# Allegro board 1156197-TDI_VU3P_QSFP28_CXP_V001_1023A-166-20241121_1644_PCB.brd (continued)
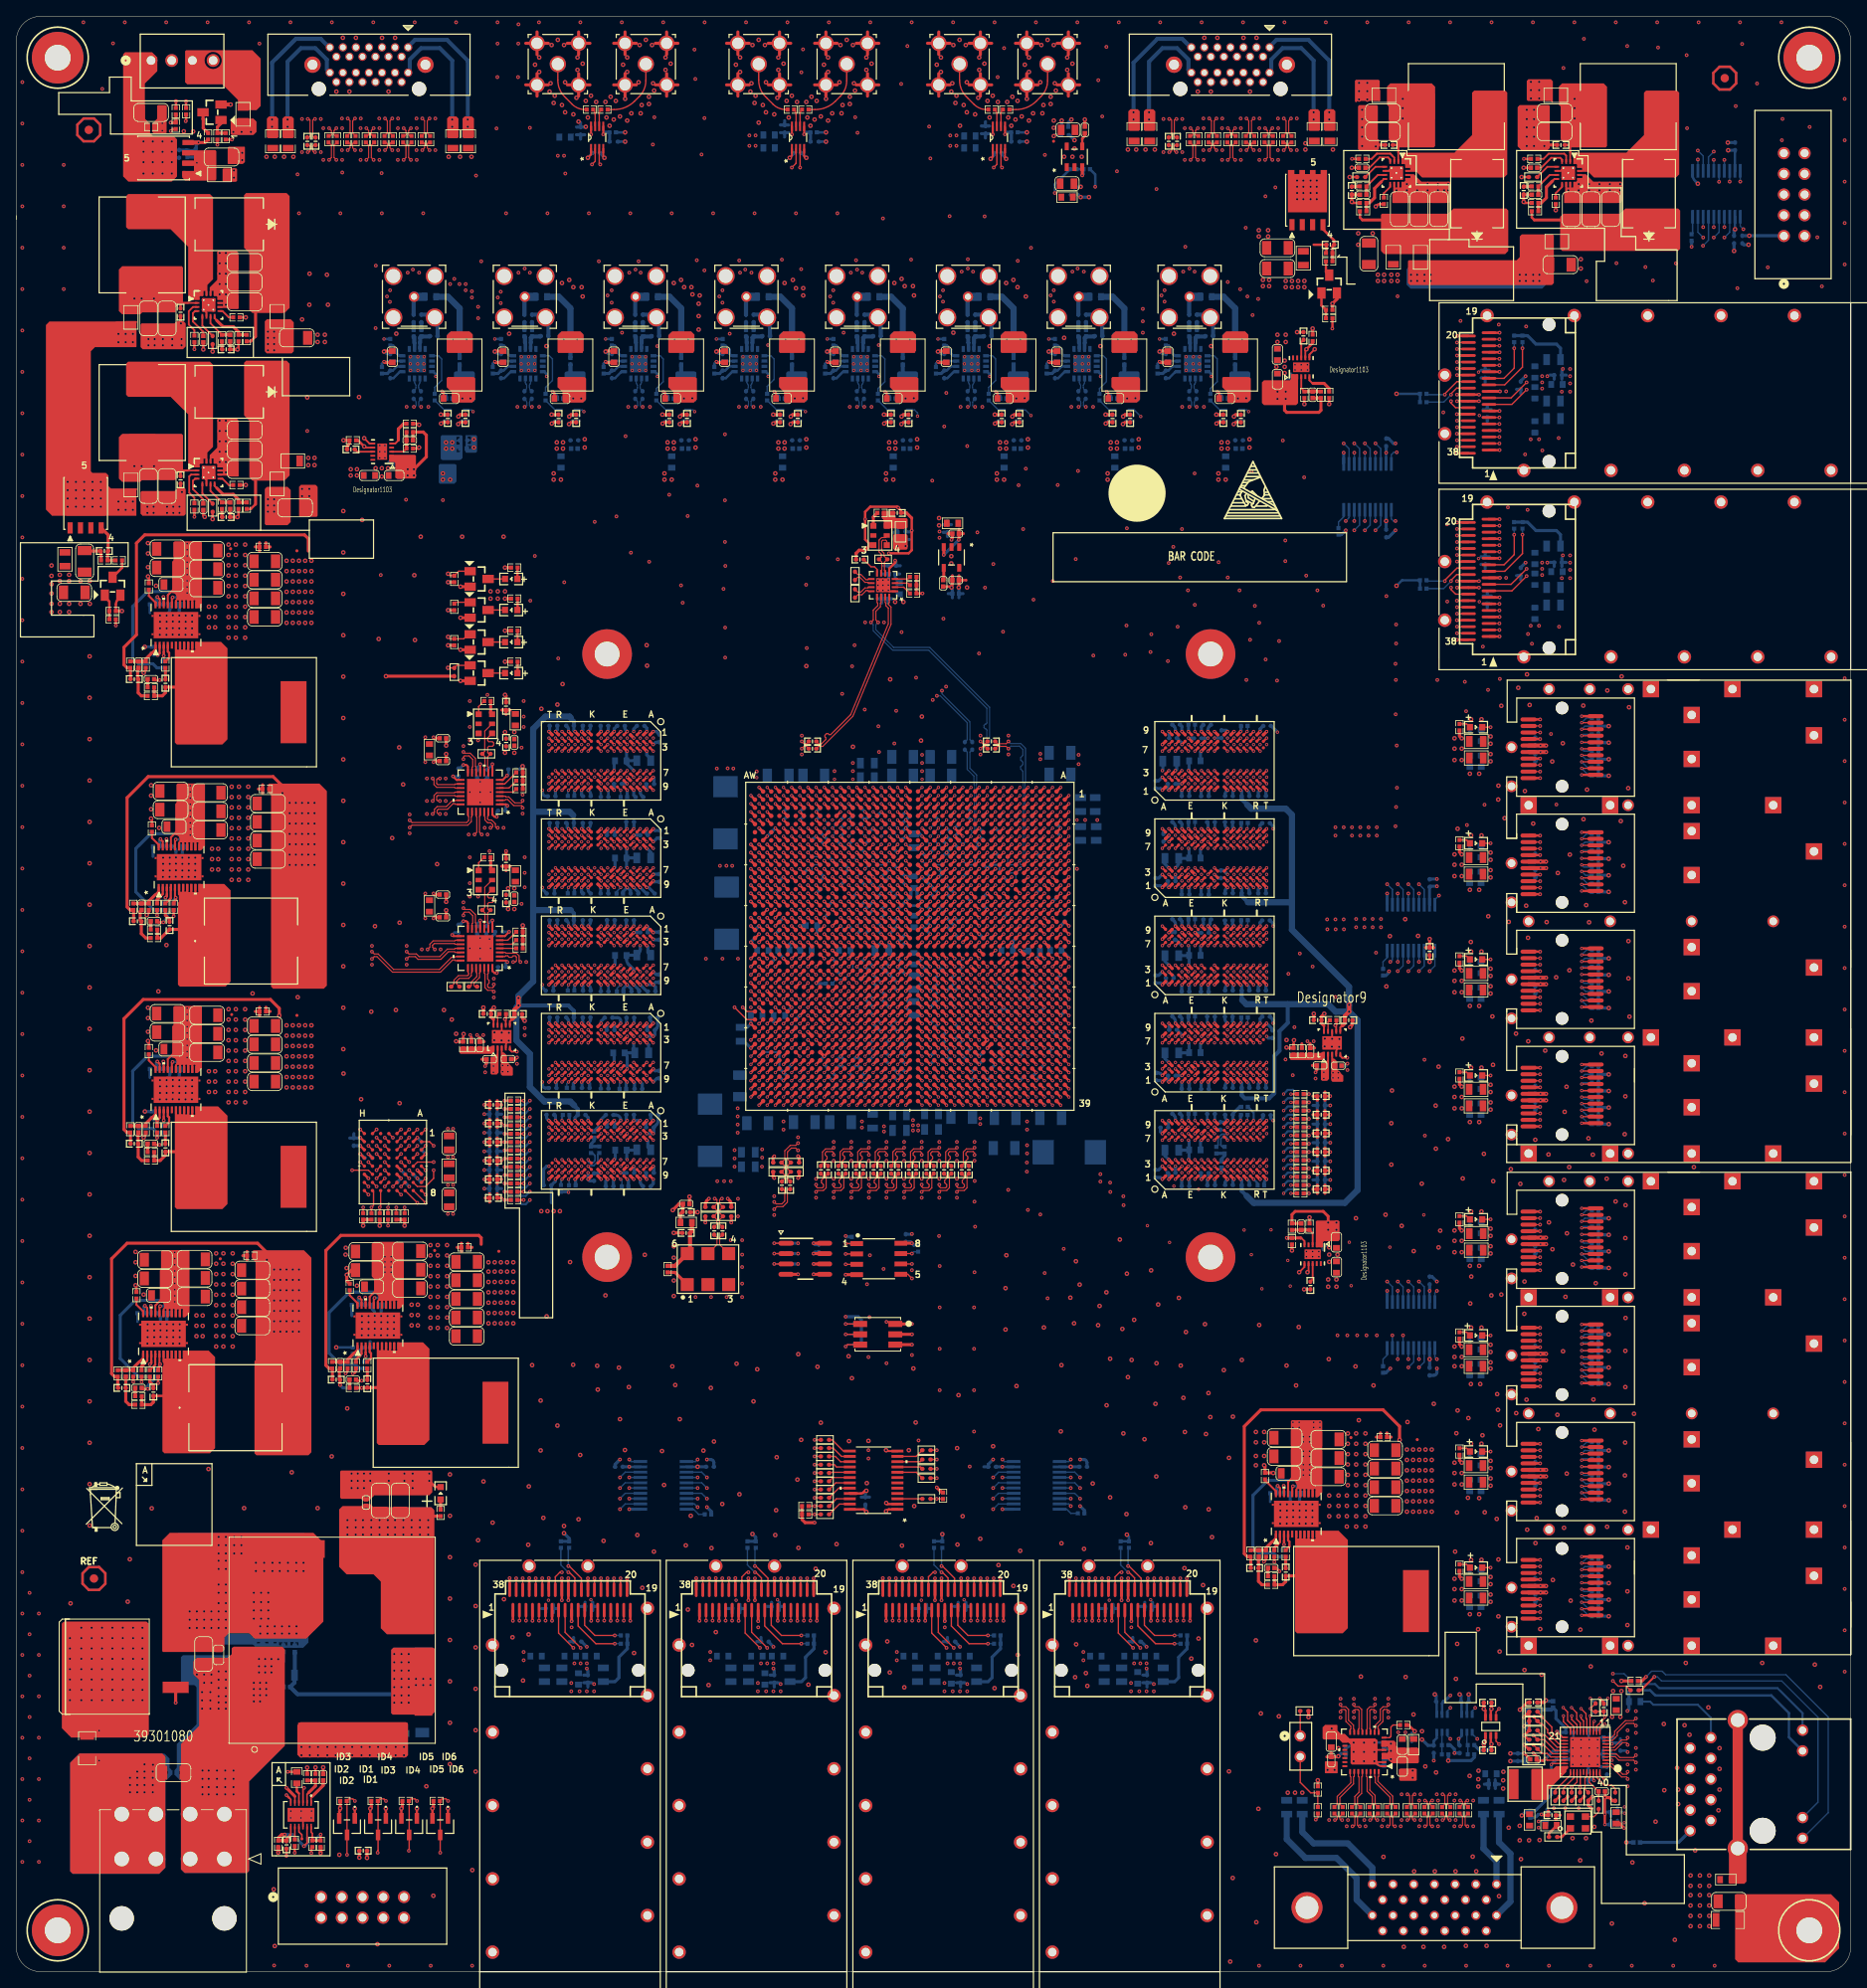
[diagram p0: board, top side]
## Routing (per net, layer and track width the routed paths; a pad name or vN(x,y) marks a point on that pad's centre or on a via; arc(x,y) is an arc through that point) (continued)
DDR4_1V2_EN: length 2.9
  TOP w0.279: U44.2 17.58,104.81 v1(17.35,104.57)
  TOP w0.381: v1(17.35,104.57) 17.27,104.5 R381.1
  BOTTOM w0.381: v1(17.35,104.57) 16.85,104.57 R378.1
DDR4_1V2_GOOD: length 34.1
  TOP w0.279: U44.3 18.08,104.93
  TOP w0.305: R382.2 v1(17.27,129.67) ; 18.08,104.93 v1(18.08,104.51)
  ART03 w0.381: v1(18.08,104.51) 18.08,104.04 17.7,103.66 15.42,103.66 13.84,105.23 13.84,124.71 17.14,128.02 17.14,129.54 v1(17.27,129.67)
  BOTTOM w0.381: v1(18.08,104.51) 18.08,103.98 R356.2
DDR4_2V5_PG: length 174.7
  TOP w0.229: 157.55,90.04 157.62,90.04 158,89.66 U50.5
  TOP w0.381: 157.55,90.04 157.53,90.06 R410.2 v1(155.83,90.06)
  ART03 w0.381: v1(155.83,90.06) 146.54,80.77 114.94,80.77 v1(109.86,75.69)
  ART07 w0.381: v1(109.86,75.69) 105.54,71.37 97.66,71.37 91.82,77.22 48.64,77.22 47.62,78.23 47.62,80.64 46.61,81.66 41.27,81.66 33.27,89.66 18.67,89.66 16.64,91.69 16.64,104.65 15.77,105.52 v2(15.77,105.58)
  BOTTOM w0.381: v2(15.77,105.58) R378.2
DDR4_200M_N: length 5.7
  TOP w0.14: U60.7 106.08,171.99 106.16,172.07 106.16,173.01 R471.2 106.07,173.61 106.07,173.62 106.1,173.64 106.1,173.98 105.82,174.26 105.82,175.71 106.14,176.03 106.61,176.03 106.77,176.18 X1.5
DDR4_200M_P: length 5.6
  TOP w0.14: U60.6 106.57,171.94 106.49,172.02 106.49,173.01 R471.1 106.43,173.76 106.43,174.12 106.15,174.4 106.15,175.57 106.28,175.7 106.64,175.7 106.77,175.57 X1.4
DDR4_CLK1_N_200M: length 21.9
  TOP w0.14: U60.16 107.07,168.05 106.99,167.97 106.99,167.8 107.29,167.49 107.29,165.38 102.61,154.09 98.91,150.39 98.41,150.39 C55.1
DDR4_CLK1_P_200M: length 21.9
  TOP w0.14: U60.15 106.57,168.05 106.66,167.97 106.66,167.66 106.96,167.36 106.96,165.45 102.34,154.28 99.89,151.84 99.69,151.84 99.57,151.95 99.38,151.95 99.18,151.76 99.18,151.56 99.3,151.44 99.3,151.24 98.78,150.72 98.41,150.72 C54.1
DDR4_CLK2_N_200M: length 29.4
  TOP w0.14: v1(105.71,165.61) 105.43,165.9 105.43,166.98 105.99,167.53 105.99,167.97 106.08,168.05 U60.14 ; C72.1 118.85,150.39 118.54,150.39 v1(118.26,150.11)
  BOTTOM w0.14: v1(105.71,165.61) 105.43,165.33 105.43,164.72 107.62,162.53 112.04,162.53 119.38,155.19 119.38,150.62 119.05,150.29 118.44,150.29 v1(118.26,150.11)
DDR4_CLK2_P_200M: length 29.3
  TOP w0.14: U60.13 105.58,168.05 105.66,167.97 105.66,167.67 105.11,167.11 105.11,165.9 v1(104.82,165.61) ; C71.1 118.85,150.72 118.54,150.72 v1(118.26,151)
  BOTTOM w0.14: v1(118.26,151) 118.64,150.62 118.91,150.62 119.05,150.76 119.05,152.42 118.91,152.56 118.83,152.56 118.69,152.7 118.69,152.98 118.83,153.12 118.91,153.12 119.05,153.26 119.05,155.06 111.91,162.2 107.49,162.2 105.11,164.59 105.11,165.33 v1(104.82,165.61)
EEPROM_CS_B: length 33.3
  TOP w0.152: U1.AH29 102.1,116.36 v1(102.1,116.36)
  TOP w0.17: U2.1 v1(101.73,89.36)
  ART07 w0.122: v1(102.1,116.36) 101.6,115.86 101.6,113.02 101.48,112.9 99.82,112.9 99.57,112.65 99.57,94.87 102.41,92.02 102.41,90.05 v1(101.73,89.36)
  BOTTOM w0.17: R22.2 101.75,89.39 v1(101.73,89.36)
EEPROM_SCK: length 41.4
  TOP w0.152: v1(101.1,116.36) 101.1,116.36 U1.AJ29
  TOP w0.17: U2.6 v1(109.86,86.87)
  ART07 w0.122: v1(109.86,86.87) 107.95,88.77 101.5,88.77 101.19,89.08 101.19,92.35 98.68,94.87 98.68,112.65 98.93,112.9 99.31,112.9 99.57,113.16 99.57,113.54 99.95,113.92 100.33,113.92 100.58,114.17 100.58,115.84 v1(101.1,116.36)
EEPROM_SI: length 41.2
  TOP w0.17: v3(96.1,112.36) 95.6,112.86 U1.AP33 ; U2.5 109.35,85.6 v1(109.86,85.09)
  ART07 w0.122: v3(96.1,112.36) 95.63,111.89 95.63,103 95.17,102.54 95.17,96.98 95.76,96.39 95.76,94.74 98.78,91.72 98.78,87.5 101.3,84.99 109.75,84.99 v1(109.86,85.09)
EEPROM_SO: length 40.5
  TOP w0.152: U1.AJ28 v1(100.1,117.36)
  TOP w0.17: U2.2 v1(101.73,88.09)
  ART07 w0.122: v1(100.1,117.36) 100.1,116.99 99.57,116.46 99.57,115.09 99.34,114.86 98.83,114.86 98.55,114.58 98.55,114.05 98.23,113.73 98.23,113.35 97.66,112.78 97.66,112.14 97.41,111.89 96.9,111.89 96.62,111.61 96.62,94.77 99.69,91.69 99.69,87.5 101.09,86.11 101.98,86.11 102.36,86.49 102.36,87.46 v1(101.73,88.09)
EEPROM_WP_B: length 32.8
  TOP w0.152: U1.AJ31 v1(100.1,114.36)
  TOP w0.17: U2.3 v1(101.73,86.82)
  ART07 w0.122: v1(101.73,86.82) 100.58,87.97 100.58,91.69 97.54,94.74 97.54,111.51 98.17,112.14 98.17,112.78 98.68,113.28 98.68,113.67 98.93,113.92 99.44,113.92 99.88,114.36 v1(100.1,114.36)
FPGA_25M_OSC_ETH: length 4.1
  TOP w0.17: R318.2 194.08,22.11 C635.1 192.91,23.28 192.91,23.75 193.03,23.87 U40.37
FPGA_ETH_LED0: length 3
  TOP w0.17: U40.32 191.03,23.78 189.76,22.51 R328.1
FPGA_ETH_LED1: length 32.3
  TOP w0.17: R331.1 v1(190.78,22.64) 191.43,23.29 U40.33
  ART03 w0.122: v1(190.78,22.64) 190.78,22.58 191.26,22.1 195.45,22.1 196.12,21.43 198.85,21.43 200.18,22.76 200.18,33.66 197.26,36.58 v1(195.83,36.58)
  BOTTOM w0.17: v1(195.83,36.58) 197.21,36.58 R334.1
FPGA_ETH_LED2: length 29.1
  TOP w0.17: U40.34 191.83,22.89 191.8,22.85 v1(191.8,22.64) R329.1 ; R332.2 197.49,35.05 196.47,35.05 v1(195.83,35.69)
  ART03 w0.122: v1(195.83,35.69) 196.4,35.12 198.18,35.12 199.64,33.66 199.64,22.99 198.63,21.97 196.34,21.97 195.58,22.73 191.89,22.73 v1(191.8,22.64)
FPGA_ETH_RESET_B: length 127.2
  TOP w0.152: U1.D24 v1(126.1,121.36)
  TOP w0.17: U41.4 181.5,31.89 v1(181.86,32.26)
  ART05 w0.122: v1(181.86,32.26) 181.86,33.4 180.59,34.67 180.59,44.2 179.58,45.21 179.58,49.02 179.07,49.53 179.07,52.83 175.77,56.13 175.77,65.91 166.24,75.44 166.24,78.61 164.13,80.72 142.49,80.72 125.63,97.59 125.63,120.88 v1(126.1,121.36)
FPGA_ETH_RST_B: length 21.1
  TOP w0.17: U40.12 193.83,30.13 194.84,31.15 v3(194.84,31.27) 194.72,31.4 C631.1 193.74,31.95 R314.2 193.45,31.91 v3(193.07,32.29) R314.1 ; U41.3 181.5,28.31 v1(181.86,27.94)
  ART03 w0.122: v3(193.07,32.29) 192.53,31.75 192.53,31.11 192.15,30.73 188.98,30.73 187.83,29.59 183.51,29.59 v1(181.86,27.94)
  BOTTOM w0.17: R315.1 v3(194.84,31.27)
FPGA_RGMII_MDC: length 171.9
  TOP w0.152: U1.N28 v1(117.1,117.36)
  TOP w0.17: v3(193.55,30.73) 193.43,30.62 U40.13
  ART07 w0.122: v3(193.55,30.73) 195.07,29.21 195.07,25.36 195.83,24.59 195.83,17.27 193.55,14.99 183.64,14.99 178.44,20.19 169.93,20.19 167.97,22.15 158.82,22.15 153.46,27.52 153.46,32.65 147.7,38.4 147.7,46.35 133.78,60.27 133.78,62.08 118.82,77.04 118.82,98.55 120.19,99.92 120.19,103.58 117.6,106.17 117.6,112.7 117.42,112.88 116.87,112.88 116.59,113.16 116.59,116.97 116.98,117.36 v1(117.1,117.36)
FPGA_RGMII_MDIO: length 171.5
  TOP w0.152: U1.N29 v1(117.1,116.36)
  TOP w0.17: U40.14 193.03,31.36 v3(193.07,31.4)
  ART07 w0.122: v1(117.1,116.36) 117.55,115.9 117.55,113.2 117.93,112.83 118.31,112.83 118.62,112.52 118.62,106.17 120.62,104.17 120.62,99.47 119.28,98.12 119.28,77.32 134.34,62.26 134.34,60.35 148.21,46.48 148.21,38.56 154.08,32.69 154.08,27.66 157.61,24.13 165.53,24.13 166.71,22.95 177.84,22.95 181.61,19.18 181.61,18.03 184.15,15.49 193.29,15.49 195.33,17.53 195.33,24.38 194.56,25.15 194.56,28.96 193.07,30.45 v3(193.07,31.4)
  BOTTOM w0.17: v3(193.07,31.4) 193.57,31.91 R311.1
FPGA_RGMII_RX_CLK: length 140.2
  TOP w0.152: U1.J31 v1(121.1,114.36)
  TOP w0.17: v1(186.08,27.84) R325.1 187.13,26.8 187.76,26.8 188.2,26.36 U40.27
  ART07 w0.122: v1(186.08,27.84) 185.53,28.4 184.76,28.4 183.13,30.02 183.13,32.77 180.83,35.07 180.66,35.07 180.4,34.81 180.22,34.81 180.05,34.98 180.05,35.16 180.31,35.42 180.31,35.59 180.14,35.76 179.97,35.76 179.71,35.5 179.53,35.5 179.36,35.67 179.36,35.85 179.62,36.11 179.62,36.28 179.45,36.45 179.28,36.45 179.02,36.19 178.84,36.19 178.67,36.36 178.67,36.54 178.93,36.8 178.93,36.97 178.52,37.38 156.98,37.38 153.37,40.99 153.37,49.27 151.39,51.25 151.39,53.91 127.82,77.49 127.82,104.69 126.62,105.89 126.62,112.52 126.24,112.9 123.95,112.9 123.57,113.28 123.57,114.55 123.32,114.81 122.94,114.81 122.68,115.06 122.68,115.44 122.3,115.82 120.9,115.82 120.65,115.57 120.65,115.14 121.1,114.69 v1(121.1,114.36)
FPGA_RGMII_RX_CTL: length 138.3
  TOP w0.152: U1.H32 v1(122.1,113.36)
  TOP w0.17: v1(187.12,27.84) 187.35,27.84 188.44,26.75 U40.26
  ART07 w0.122: v1(187.12,27.84) 186.61,27.33 184.76,27.33 184.34,27.75 184.34,28.08 182.5,29.92 182.5,32.51 181.83,33.19 181.14,33.19 180.5,33.83 180.33,33.83 179.94,33.44 179.77,33.44 179.6,33.61 179.6,33.78 179.98,34.17 179.98,34.34 179.81,34.52 179.64,34.52 179.25,34.13 179.08,34.13 178.91,34.3 178.91,34.47 179.29,34.86 179.29,35.03 179.12,35.21 178.95,35.21 178.56,34.82 178.39,34.82 178.22,34.99 178.22,35.16 178.6,35.55 178.6,35.72 178.43,35.9 178.26,35.9 177.87,35.51 177.7,35.51 177.53,35.68 177.53,35.85 177.91,36.24 177.91,36.41 177.48,36.84 156.75,36.84 152.87,40.73 152.87,49.01 150.67,51.21 150.67,53.87 127.18,77.37 127.18,104.19 125.6,105.77 125.6,111.56 125.28,111.89 123.83,111.89 123.57,112.14 123.57,112.65 123.32,112.9 122.94,112.9 122.48,113.36 v1(122.1,113.36)
  BOTTOM w0.17: v1(187.12,27.84) 186.61,27.34 R327.1
FPGA_RGMII_RXD0: length 140.4
  TOP w0.152: U1.H29 v1(122.1,116.36)
  TOP w0.17: v1(186.09,29) 186.59,28.5 R320.1 187.42,28.48 188.75,27.16 U40.25
  ART07 w0.122: v1(122.1,116.36) 122.4,116.36 122.94,115.82 124.33,115.82 124.59,115.57 124.59,114.05 124.84,113.79 127.38,113.79 127.64,113.54 127.64,105.84 128.32,105.16 128.32,90.2 129.01,89.51 129.01,88.19 128.63,87.81 128.63,87.36 128.75,87.23 129.21,87.23 129.34,87.11 129.34,86.87 129.21,86.75 128.75,86.75 128.63,86.62 128.63,86.38 128.75,86.26 129.21,86.26 129.34,86.14 129.34,85.89 129.21,85.77 128.75,85.77 128.63,85.65 128.63,85.4 128.75,85.28 129.21,85.28 129.34,85.16 129.34,84.92 129.21,84.8 128.75,84.8 128.63,84.67 128.63,84.43 128.75,84.31 129.21,84.31 129.34,84.19 129.34,83.94 129.21,83.82 128.75,83.82 128.63,83.7 128.63,77.62 152.03,54.22 152.03,52.26 153.67,50.62 153.67,49.83 153.87,49.63 153.87,41.2 157.15,37.92 178.74,37.92 183.77,32.89 183.77,30.61 184.78,29.59 185.5,29.59 v1(186.09,29)
  BOTTOM w0.17: R320.1 186.59,28.5 v1(186.09,29)
FPGA_RGMII_RXD1: length 141.3
  TOP w0.152: U1.J29 v1(121.1,116.36)
  TOP w0.17: U40.24 188.98,27.55 187.5,29.04 v1(187.1,29.04) 186.59,29.55 R322.1
  ART07 w0.122: v1(187.1,29.04) 187.1,29.18 185.55,30.73 185.55,31.88 179.05,38.37 157.34,38.37 154.38,41.33 154.38,49.56 154.81,49.99 154.81,50.55 154.25,51.1 153.75,51.1 152.6,52.25 152.6,54.28 131.04,75.84 131.04,84.91 130.92,85.03 130.22,85.03 130.1,85.16 130.1,85.4 130.22,85.52 130.92,85.52 131.04,85.64 131.04,85.89 130.92,86.01 130.22,86.01 130.1,86.13 130.1,86.38 130.22,86.5 130.92,86.5 131.04,86.62 131.04,88.77 128.93,90.88 128.93,105.97 128.52,106.38 128.52,114.61 128.33,114.81 126.87,114.81 126.62,115.06 126.62,115.57 126.36,115.82 124.84,115.82 124.59,116.08 124.59,116.46 124.21,116.84 121.54,116.84 121.1,116.4 v1(121.1,116.36)
  BOTTOM w0.17: R322.1 186.59,29.55 v1(187.1,29.04)
FPGA_RGMII_RXD2: length 140.3
  TOP w0.152: U1.H28 v1(122.1,117.36)
  TOP w0.17: U40.23 189.21,27.96 187.83,29.34 187.83,29.72 187.07,30.48 186.87,30.48 R324.1 186.16,31.19 v1(186.16,31.3)
  ART07 w0.122: v1(122.1,117.36) 122.6,117.86 125.35,117.86 125.6,117.6 125.6,117.09 125.86,116.84 126.36,116.84 126.62,116.59 126.62,116.2 127,115.82 129.41,115.82 129.62,115.62 129.62,92.41 130,92.02 130,91.85 129.58,91.42 129.58,91.25 129.75,91.08 129.92,91.08 130.35,91.5 130.52,91.5 130.69,91.33 130.69,91.16 130.27,90.73 130.27,90.56 130.44,90.39 130.61,90.39 131.04,90.81 131.21,90.81 131.61,90.41 131.61,76.16 153.06,54.71 153.06,52.43 153.97,51.51 154.81,51.51 155.55,50.77 155.55,48.03 155.12,47.6 155.12,41.22 157.52,38.82 179.49,38.82 186.16,32.16 186.16,31.3 v1(186.16,31.3)
  BOTTOM w0.17: v1(186.16,31.3) 186.16,31.19 R324.1
FPGA_RGMII_RXD3: length 140.4
  TOP w0.152: U1.J28 v1(121.1,117.36)
  TOP w0.17: R326.1 187.1,31.4 v1(187.1,31.27) 188.34,30.03 188.34,29.46 189.45,28.35 U40.22
  ART07 w0.122: v1(121.1,117.36) 121.6,117.86 121.6,118.55 121.92,118.87 126.36,118.87 126.62,118.62 126.62,117.09 126.87,116.84 129.54,116.84 130.12,116.26 130.12,92.63 132.11,90.65 132.11,76.43 153.54,54.99 153.54,52.45 154,51.99 154.94,51.99 155.96,50.98 155.96,47.93 155.52,47.5 155.52,41.48 157.71,39.29 179.65,39.29 187.1,31.85 v1(187.1,31.27)
FPGA_RGMII_TX_CLK: length 157.8
  TOP w0.152: U1.K31 v1(120.1,114.36)
  TOP w0.17: U40.20 190.63,29.84 189.76,30.71 v3(189.76,31.4)
  ART07 w0.122: v1(120.1,114.36) 120.1,113.07 120.52,112.65 120.52,111.25 120.9,110.87 121.28,110.87 121.54,110.62 121.54,106.05 122.25,105.33 122.25,76.63 136.56,62.32 136.56,60.29 149.73,47.12 149.73,39.37 155.07,34.04 169.09,34.04 169.21,33.91 169.21,31.95 169.34,31.83 169.58,31.83 169.7,31.95 169.7,33.91 169.82,34.04 170.07,34.04 170.19,33.91 170.19,31.95 170.31,31.83 170.55,31.83 170.68,31.95 170.68,33.91 170.8,34.04 171.02,34.04 171.2,33.86 171.2,32.72 172.65,31.27 173.71,31.27 175.51,29.46 176.83,29.46 181.36,24.94 181.36,22.35 182.93,20.78 187.2,20.78 187.45,21.03 187.45,23.77 189.48,25.81 189.48,31.12 v3(189.76,31.4)
FPGA_RGMII_TX_CTL: length 154
  TOP w0.152: U1.H33 v3(122.1,112.36)
  TOP w0.17: v3(189.74,32.42) 190.27,31.88 190.27,30.83 191.03,30.08 U40.19
  ART07 w0.122: v3(189.74,32.42) 189.34,32.42 188.06,31.13 188.06,27.53 186.31,25.78 184.53,25.78 183.9,26.42 183.9,26.94 179.97,30.86 178.18,30.86 173.99,35.05 155.45,35.05 150.75,39.75 150.75,47.5 137.99,60.26 137.99,62.37 123.77,76.58 123.77,77.96 123.65,78.08 123.26,78.08 123.14,78.2 123.14,78.44 123.26,78.57 123.8,78.57 123.93,78.69 123.93,78.88 123.75,79.05 123.26,79.05 123.14,79.18 123.14,79.42 123.26,79.54 123.8,79.54 123.93,79.66 123.93,79.86 123.75,80.03 123.26,80.03 123.14,80.15 123.14,80.39 123.26,80.52 123.8,80.52 123.93,80.64 123.93,80.83 123.75,81 123.26,81 123.14,81.13 123.14,81.37 123.26,81.49 123.8,81.49 123.93,81.61 123.93,81.81 123.75,81.98 123.26,81.98 123.14,82.1 123.14,82.35 123.26,82.47 123.8,82.47 123.93,82.59 123.93,82.78 123.75,82.95 123.26,82.95 123.14,83.08 123.14,83.32 123.26,83.44 123.8,83.44 123.93,83.56 123.93,83.76 123.75,83.93 123.26,83.93 123.14,84.05 123.14,84.3 123.26,84.42 123.8,84.42 123.93,84.54 123.93,84.73 123.75,84.91 123.26,84.91 123.14,85.03 123.14,85.27 123.26,85.39 123.8,85.39 123.93,85.51 123.93,85.71 123.75,85.88 123.26,85.88 123.14,86 123.14,86.25 123.26,86.37 123.8,86.37 123.93,86.49 123.93,86.68 123.75,86.86 123.26,86.86 123.14,86.98 123.14,87.22 123.26,87.34 123.8,87.34 123.93,87.47 123.93,87.66 123.75,87.83 123.26,87.83 123.14,87.95 123.14,88.2 123.26,88.32 123.8,88.32 123.93,88.44 123.93,88.63 123.75,88.81 123.26,88.81 123.14,88.93 123.14,89.17 123.26,89.29 123.65,89.29 123.77,89.42 123.77,92.53 123.32,92.99 123.32,104.78 123.57,105.03 123.57,110.62 123.32,110.87 122.81,110.87 122.6,111.08 122.6,111.59 122.1,112.09 v3(122.1,112.36)
FPGA_RGMII_TXD0: length 153.6
  TOP w0.152: U1.K30 v1(120.1,115.36)
  TOP w0.17: U40.18 191.43,30.31 190.78,30.96 v3(190.78,31.4)
  ART07 w0.122: v1(120.1,115.36) 120.1,115.1 120.6,114.6 120.6,113.21 120.9,112.9 121.28,112.9 121.54,112.65 121.54,111.12 121.79,110.87 122.17,110.87 122.6,110.44 122.6,106.13 122.81,105.92 122.81,92.44 122.93,92.32 123.27,92.32 123.39,92.2 123.39,91.96 123.27,91.83 122.93,91.83 122.81,91.71 122.81,91.47 122.93,91.35 123.27,91.35 123.39,91.22 123.39,90.98 123.27,90.86 122.93,90.86 122.81,90.74 122.81,90.49 122.93,90.37 123.27,90.37 123.39,90.25 123.39,90 123.27,89.88 122.93,89.88 122.81,89.76 122.81,76.91 137.39,62.33 137.39,60.22 150.24,47.37 150.24,39.62 155.32,34.54 172.47,34.54 172.85,34.17 172.85,33.99 171.84,32.98 171.84,32.81 172.01,32.64 172.18,32.64 173.19,33.65 173.36,33.65 173.54,33.48 173.54,33.3 172.53,32.29 172.53,32.12 172.7,31.95 172.87,31.95 173.88,32.96 174.05,32.96 174.28,32.73 174.28,32.56 173.85,32.14 173.85,31.96 175.72,30.1 176.91,30.1 181.74,25.27 187.4,25.27 188.47,26.34 188.47,31 189.37,31.9 190.27,31.9 190.78,31.4 v3(190.78,31.4)
FPGA_RGMII_TXD1: length 154
  TOP w0.152: U1.J30 v1(121.1,115.36)
  TOP w0.17: v3(190.76,32.42) 191.39,31.78 191.39,30.99 191.83,30.55 U40.17
  ART07 w0.122: v3(190.76,32.42) 190.25,32.92 189.13,32.92 187.63,31.42 187.63,27.61 186.31,26.29 184.66,26.29 184.4,26.54 184.4,27.03 179.93,31.5 178.56,31.5 176.4,33.65 176.4,34.42 175.26,35.56 155.57,35.56 151.26,39.88 151.26,47.62 138.76,60.12 138.76,62.31 124.59,76.48 124.59,83.41 124.71,83.53 124.82,83.53 124.94,83.65 124.94,83.9 124.82,84.02 124.71,84.02 124.59,84.14 124.59,84.38 124.71,84.51 124.82,84.51 124.94,84.63 124.94,84.87 124.82,84.99 124.71,84.99 124.59,85.12 124.59,85.36 124.71,85.48 124.82,85.48 124.94,85.6 124.94,85.85 124.82,85.97 124.71,85.97 124.59,86.09 124.59,86.33 124.71,86.46 124.82,86.46 124.94,86.58 124.94,86.82 124.82,86.94 124.71,86.94 124.59,87.07 124.59,87.31 124.71,87.43 124.82,87.43 124.94,87.55 124.94,87.8 124.82,87.92 124.71,87.92 124.59,88.04 124.59,88.29 124.71,88.41 124.82,88.41 124.94,88.53 124.94,88.77 124.82,88.89 124.71,88.89 124.59,89.02 124.59,89.26 124.71,89.38 124.82,89.38 124.94,89.5 124.94,89.75 124.82,89.87 124.71,89.87 124.59,89.99 124.59,90.24 124.71,90.36 124.82,90.36 124.94,90.48 124.94,90.72 124.82,90.85 124.71,90.85 124.59,90.97 124.59,91.21 124.71,91.33 124.82,91.33 124.94,91.45 124.94,91.7 124.82,91.82 124.71,91.82 124.59,91.94 124.59,92.19 124.71,92.31 124.82,92.31 124.94,92.43 124.94,92.67 124.82,92.8 124.71,92.8 124.59,92.92 124.59,94.03 124.47,94.15 123.85,94.15 123.72,94.27 123.72,94.52 123.85,94.64 124.47,94.64 124.59,94.76 124.59,95 124.47,95.12 123.85,95.12 123.72,95.25 123.72,95.49 123.85,95.61 124.47,95.61 124.59,95.73 124.59,95.98 124.47,96.1 123.85,96.1 123.72,96.22 123.72,96.47 123.85,96.59 124.47,96.59 124.59,96.71 124.59,96.95 124.47,97.08 123.85,97.08 123.72,97.2 123.72,97.44 123.85,97.56 124.47,97.56 124.59,97.69 124.59,110.59 124.3,110.87 123.83,110.87 123.57,111.12 123.57,111.63 123.32,111.89 122.81,111.89 122.56,112.14 122.56,112.65 122.3,112.9 121.92,112.9 121.67,113.16 121.67,114.79 v1(121.1,115.36)
FPGA_RGMII_TXD2: length 157.9
  TOP w0.152: U1.L27 v1(119.1,118.36)
  TOP w0.17: U40.16 192.23,30.78 191.92,31.09 v3(191.92,31.4)
  ART07 w0.122: v3(191.92,31.4) 191.92,31.01 190.4,29.49 190.4,25.15 188.48,23.22 188.48,20.68 187.63,19.84 182.43,19.84 180.34,21.93 180.34,24.52 177.43,27.43 175.51,27.43 172.69,30.25 161.77,30.25 159,33.02 154.56,33.02 148.72,38.86 148.72,46.69 135.08,60.33 135.08,62.25 119.71,77.62 119.71,97.69 121.23,99.21 121.23,104.57 119.63,106.17 119.63,110.62 119.06,111.19 119.06,112.59 118.62,113.03 118.62,117.87 v1(119.1,118.36)
FPGA_RGMII_TXD3: length 157.6
  TOP w0.152: U1.K28 v1(120.1,117.36)
  TOP w0.17: U40.15 192.63,31.01 192.53,31.11 192.53,31.68 v3(191.92,32.29)
  ART07 w0.122: v3(191.92,32.29) 191.26,31.63 191.26,31.11 190.02,29.87 190.02,25.53 187.99,23.5 187.99,20.81 187.45,20.27 182.72,20.27 180.85,22.14 180.85,24.73 177.67,27.9 175.68,27.9 172.9,30.68 162.1,30.68 159.26,33.53 154.56,33.53 149.22,38.86 149.22,46.86 135.9,60.19 135.9,62.09 120.24,77.75 120.24,97.16 121.74,98.65 121.74,104.95 120.65,106.05 120.65,110.49 120.27,110.87 119.89,110.87 119.63,111.12 119.63,116.89 v1(120.1,117.36)
HARD_BRD_TYPE: length 4.9
  TOP w0.152: U1.AG23 v1(102.1,122.36)
  BOTTOM w0.17: R46.2 U1.AG23 v1(102.1,122.36) 101.54,121.79 100.58,121.79 100.1,121.31 R45.2
HARD_ID_GPIO1: length 72.3
  TOP w0.152: U1.AF23 v1(103.1,122.36)
  TOP w0.17: J4.6 v1(101.73,79.5)
  ART07 w0.122: v1(101.73,79.5) 100.15,81.08 93.73,81.08 91.52,83.29 91.52,95.68 89.53,97.66 87.45,97.66 v1(86.82,97.03)
  ART12 w0.122: v1(103.1,122.36) 102.69,121.95 101.91,121.95 101.6,121.64 101.6,120.14 101.32,119.86 92.81,119.86 92.58,119.63 92.58,119.13 90.81,117.35 88.77,117.35 87.17,115.75 87.17,97.38 v1(86.82,97.03)
  BOTTOM w0.17: R55.2 v1(101.73,79.5)
HARD_ID_GPIO2: length 70.3
  TOP w0.152: v1(103.1,121.36) 103.1,121.36 U1.AG24
  TOP w0.17: J4.5 v1(101.73,78.23)
  ART07 w0.122: v1(87.63,97.03) 89.15,97.03 90.75,95.43 90.75,82.97 93.41,80.31 99.64,80.31 v1(101.73,78.23)
  ART12 w0.122: v1(87.63,97.03) 87.55,97.1 87.55,115.49 88.9,116.84 90.93,116.84 92.96,118.87 102.34,118.87 102.6,119.14 102.6,120.58 103.1,121.08 v1(103.1,121.36)
  BOTTOM w0.17: R56.2 v1(101.73,78.23)
HARD_ID_GPIO3: length 74.6
  TOP w0.152: U1.AG22 v1(102.1,123.36)
  TOP w0.17: J4.4 101.96,76.96 v1(101.73,76.73)
  ART07 w0.122: v1(101.73,76.73) 98.91,79.55 93.1,79.55 89.99,82.66 89.99,95.17 88.77,96.39 86.61,96.39 v1(85.98,97.03)
  ART12 w0.122: v1(85.98,97.03) 86.79,97.84 86.79,116 88.65,117.86 90.3,117.86 90.55,118.11 90.55,118.56 90.89,118.9 91.34,118.9 91.57,119.13 91.57,120.52 91.95,120.9 100.25,120.9 100.69,121.34 100.69,121.62 101.02,121.95 101.39,121.95 101.6,122.16 101.6,122.45 102.1,122.95 v1(102.1,123.36)
  BOTTOM w0.17: R57.2 101.96,76.96 v1(101.73,76.73)
I2C_MAIN_RST: length 75.3
  TOP w0.152: U1.D29 v1(126.1,116.36)
  TOP w0.17: R507.1 v1(112.9,58.04) 113.64,58.04 R500.2
  ART03 w0.122: v1(112.9,58.04) 108.58,62.36 108.58,77.91 109.54,78.87 110.36,78.87 111.95,80.45 111.95,81.6 115.82,85.47 115.82,86.36 130.73,101.27 130.73,112.78 130.05,113.46 130.05,114.05 129.29,114.81 126.97,114.81 126.63,115.14 126.63,115.68 126.1,116.21 v1(126.1,116.36)
I2C_MAIN_SCL: length 76
  TOP w0.152: U1.C31 v1(127.1,114.36)
  TOP w0.17: R499.2 v1(97.92,57.15) R503.1
  ART03 w0.122: v1(97.92,57.15) 103.12,62.36 106.3,62.36 107.44,63.5 107.44,78.71 114.74,86.02 114.74,86.93 129.68,101.87 129.68,112.38 129.16,112.9 128.91,112.9 128.65,113.16 128.65,113.41 128.27,113.79 127.67,113.79 v1(127.1,114.36)
I2C_MAIN_SDA: length 77
  TOP w0.152: U1.B31 v1(128.1,114.36)
  TOP w0.17: R502.1 v1(97.92,56.13) R498.2
  ART03 w0.122: v1(97.92,56.13) 103.25,61.47 106.55,61.47 107.95,62.87 107.95,78.47 115.32,85.83 115.32,86.61 130.2,101.5 130.2,112.5 129.54,113.16 129.54,113.54 129.29,113.79 128.91,113.79 128.34,114.36 v1(128.1,114.36)
INPUT_GND: length 4.5
  TOP w0.203: U55.10 35.16,18.63 v1(34.92,18.88)
  TOP w0.305: C805.2 v1(33.13,14.22) ; R436.1 v2(36.69,25.08) ; R437.2 36.18,15.17 v1(36.18,14.56) ; C806.2 v2(37.64,25.08)
  vias: v1(33.65,18.88) v1(33.67,19.71) v1(34.94,19.71) v1(36.21,19.71) v1(36.19,18.88) v2(22.15,36.47) v2(22.78,34.32) v2(22.78,33.3) v2(22.78,32.28) v2(22.83,24.69) v2(22.83,23.67) v2(22.83,22.66) v2(22.83,21.77) v2(23.04,36.47) v2(23.04,35.46) v2(23.6,24.69) v2(23.6,23.67) v2(23.6,22.66) v2(23.6,21.77) v2(23.8,34.32) v2(23.8,33.3) v2(23.8,32.28) v2(23.93,36.47) v2(23.93,35.46) v2(24.61,24.69) v2(24.61,23.67) v2(24.61,22.66) v2(24.61,21.77) v2(24.82,36.86) v2(24.82,35.84) v2(24.82,34.82) v2(24.82,33.81) v2(24.82,33.05) v2(24.82,32.28) v2(25.63,24.69) v2(25.63,23.67) v2(25.63,22.66) v2(25.63,21.77) v2(25.7,36.86) v2(25.7,35.84) v2(25.7,34.82) v2(25.7,33.81) v2(25.7,33.05) v2(25.7,32.28) v2(26.64,24.69) v2(26.64,23.67) v2(26.64,22.66) v2(26.64,21.77) v2(29.13,35.46) v2(29.13,34.7) v2(29.13,33.93) v2(29.13,33.17) v2(29.77,38.38) v2(29.77,37.49) v2(29.77,36.73) v2(29.9,35.46) v2(29.9,34.7) v2(29.9,33.93) v2(29.9,33.17) v2(30.53,38.38) v2(30.53,37.49) v2(30.53,36.73) v2(30.66,35.46) v2(30.66,34.7) v2(30.66,33.93) v2(31.29,38.38) v2(31.29,37.49) v2(31.29,36.73) v2(32.13,38.35)
LAN_MDI0_N: length 16.5
  TOP w0.14: U40.2 195.23,25.55 195.26,25.52 195.74,25.52 197.03,24.23 197.51,24.23 197.64,24.36 v1(197.64,24.54)
  ART14 w0.114: J25.3 206.34,19.32 206.45,19 206.17,18.72 203.91,18.72 198.38,24.25 197.75,24.25 197.64,24.36 v1(197.64,24.54)
LAN_MDI0_P: length 16.4
  TOP w0.14: v1(197.64,23.65) 197.64,23.78 197.51,23.91 196.89,23.91 195.61,25.19 195.32,25.19 195.28,25.15 U40.1
  ART14 w0.114: v1(197.64,23.65) 197.64,23.78 197.81,23.94 198.25,23.94 203.78,18.41 206.3,18.41 206.73,18.84 207.39,18.79 J25.2
LAN_MDI1_N: length 15.7
  TOP w0.14: v1(198.65,26.57) 198.37,26.29 196.68,26.29 196.26,26.72 195.28,26.72 195.25,26.75 U40.5
  ART14 w0.114: J25.7 206.02,25.39 206.56,25.29 206.72,25.09 206.66,24.54 205.85,23.81 202.63,23.81 200.16,26.28 198.95,26.28 v1(198.65,26.57)
LAN_MDI1_P: length 15.7
  TOP w0.14: U40.4 195.26,26.36 195.3,26.39 196.12,26.39 196.55,25.96 198.37,25.96 v1(198.65,25.68)
  ART14 w0.114: v1(198.65,25.68) 198.95,25.97 200.03,25.97 202.51,23.5 205.97,23.5 206.26,23.48 207.85,21.11 J25.4
LAN_MDI2_N: length 16
  TOP w0.14: v1(197.64,28.73) 197.64,28.57 197.51,28.44 196.88,28.44 195.96,27.52 195.35,27.52 195.31,27.55 U40.7
  ART16 w0.114: J25.6 206.97,23.2 206.81,23.25 206.76,23.37 206.32,23.8 204.04,23.8 199.4,28.44 197.93,28.44 v1(197.64,28.73)
LAN_MDI2_P: length 15.9
  TOP w0.14: U40.6 195.32,27.16 195.36,27.19 196.1,27.19 197.02,28.11 197.51,28.11 197.64,27.98 v1(197.64,27.84)
  ART16 w0.114: J25.5 206.49,22.96 206.54,23.12 206.5,23.18 206.2,23.49 203.91,23.49 199.27,28.13 197.93,28.13 v1(197.64,27.84)
LAN_MDI3_N: length 16.5
  TOP w0.14: v1(198.65,31.09) 198.37,30.81 197.35,30.81 196.04,29.5 196.04,29.12 195.64,28.72 195.37,28.72 195.33,28.76 U40.10
  ART16 w0.114: v1(198.65,31.09) 198.95,30.8 199.5,30.8 203.97,26.34 206.34,26.34 206.49,26.65 206.41,26.91 J25.9
LAN_MDI3_P: length 16.5
  TOP w0.14: U40.9 195.33,28.35 195.37,28.39 195.78,28.39 196.37,28.98 196.37,29.36 197.49,30.49 198.37,30.49 v1(198.65,30.2)
  ART16 w0.114: v1(198.65,30.2) 198.95,30.5 199.37,30.5 203.84,26.03 206.52,26.03 206.68,26.34 207.19,26.51 J25.8